# Allegro board RK_EVB7_RK3588_LP4XD200P232SD8_V11_20230111YWQ.brd (continued)
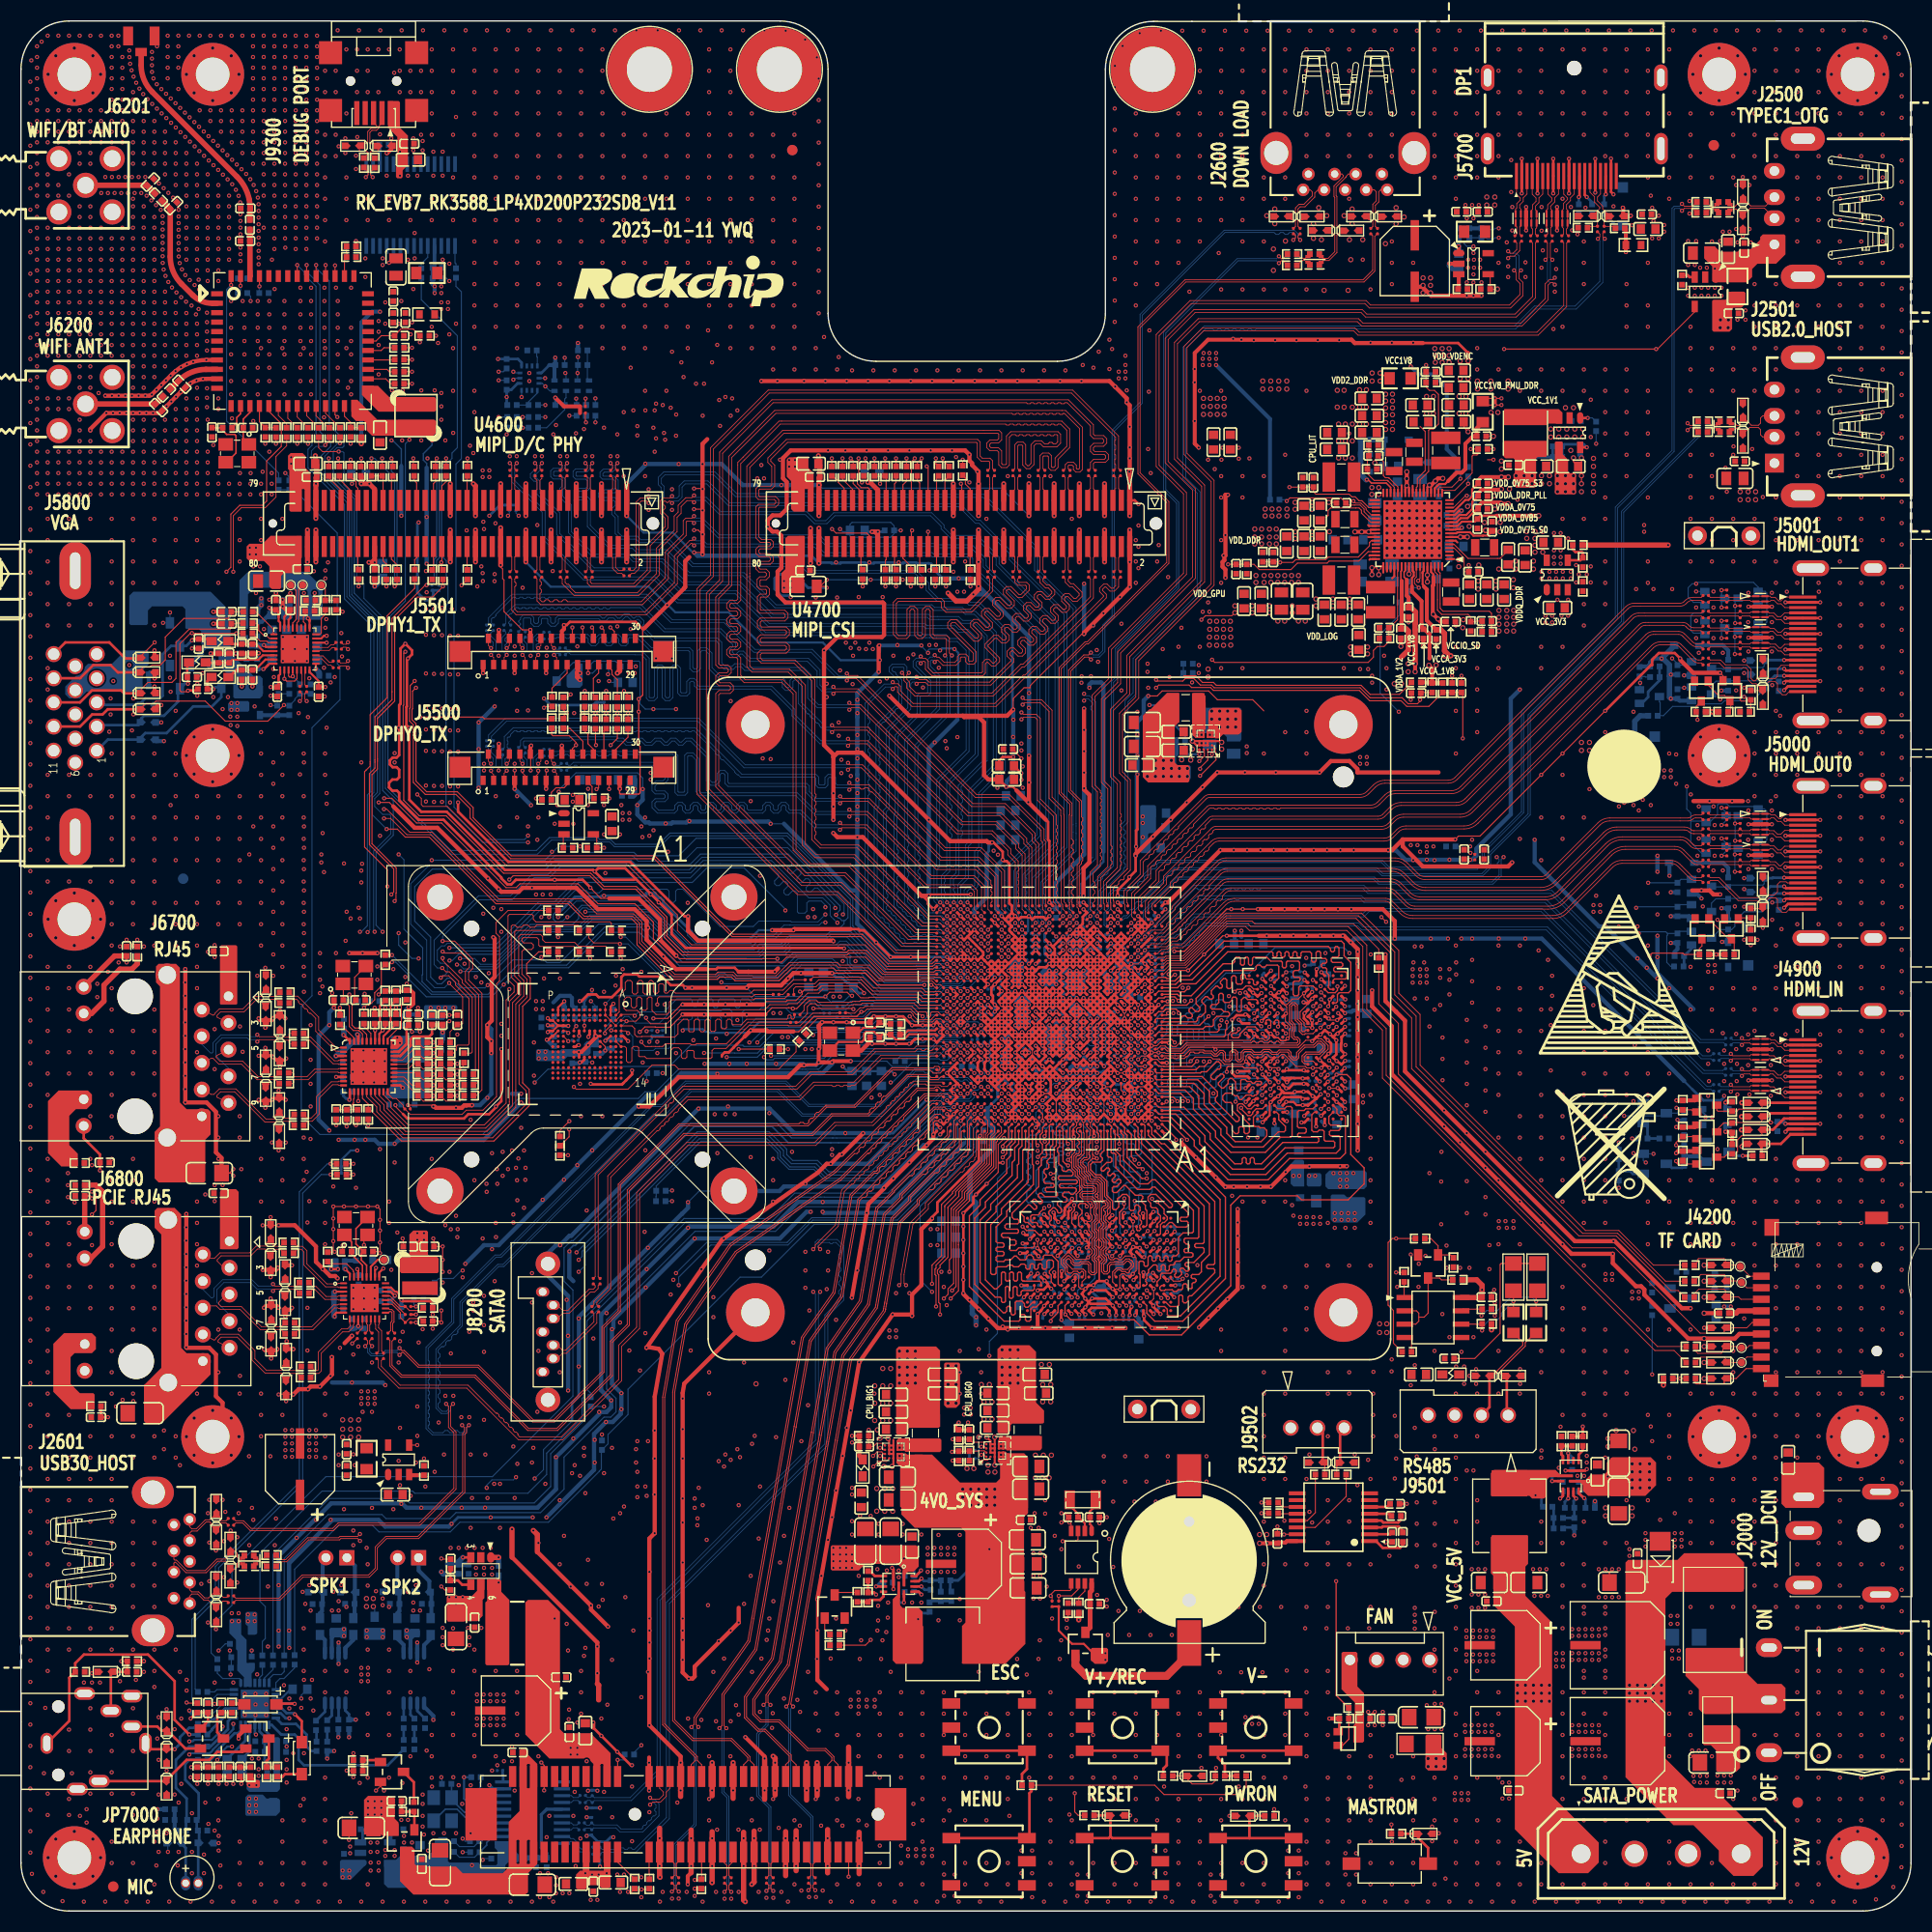
[diagram p0: board, top side]
## Placement (name value [footprint] x y rotation side) (continued)
C1207  10uF  [C0402_BGA]  103.15 79.42 270 bottom
C1208  1uF  [C0201]  101.52 79.22 270 bottom
C1209  1uF  [C0201]  103.72 84.03 0 bottom
C1210  100nF  [C0201]  103.72 82.08 0 bottom
C1211  100nF  [C0201]  103.72 82.73 0 bottom
C1212  100nF  [C0201]  102.88 81.11 270 bottom
C1213  1uF  [C0201]  99.97 82.03 180 bottom
C1214  1uF  [C0201]  102.43 82.08 0 bottom
C1215  1uF  [C0201]  101.55 82.41 90 bottom
C1216  1uF  [C0201]  103.84 81.45 180 bottom
C1217  1uF  [C0201]  98.7 79.92 270 bottom
C1218  1uF  [C0201]  98.6 80.82 180 bottom
C1219  1uF  [C0201]  99.94 78.32 180 bottom
C1220  10uF  [C0402_BGA]  102.64 85.96 90 bottom
C1221  4.7uF  [C0402_BGA]  101.75 85.96 90 bottom
C1223  100nF  [C0201]  102.43 84.03 0 bottom
C1224  1uF  [C0201]  97.56 81.19 90 bottom
C1225  100nF  [C0201]  102.43 82.73 0 bottom
C1226  10uF  [C0402_BGA]  101.3 80.78 90 bottom
C1227  4.7uF  [C0402_BGA]  99.97 80.78 90 bottom
C1228  1uF  [C0201]  100.92 82.41 90 bottom
C1229  100nF  [C0201]  102.17 80.53 90 bottom
C1231  100nF  [C0201]  102.43 83.38 0 bottom
C1232  10uF  [C0603]  121.69 71.73 90 bottom
C1300  1uF  [C0201]  91.52 85.33 180 bottom
C1301  100nF  [C0201]  104.5 87.25 180 bottom
C1302  100nF  [C0201]  104.52 86.63 180 bottom
C1400  1uF  [C0201]  101.51 92.72 90 bottom
C1401  100nF  [C0201]  100.22 92.73 90 bottom
C1402  1uF  [C0201]  102.82 91.43 270 bottom
C1403  100nF  [C0201]  101.51 91.42 270 bottom
C1404  1uF  [C0201]  100.87 92.7 90 bottom
C1405  100nF  [C0201]  99.61 92.73 90 bottom
C1406  1uF  [C0201]  100.86 91.42 270 bottom
C1407  100nF  [C0201]  100.23 91.42 270 bottom
C1408  100nF  [C0201]  103.07 92.37 0 bottom
C1409  100nF  [C0201]  102.17 91.43 270 bottom
C1410  100nF  [C0201]  103.07 93 0 bottom
C1501  100nF  [C0201]  98.54 91.2 0 bottom
C1502  100nF  [C0201]  96.6 78.2 0 bottom
C1503  100nF  [C0201]  92.53 85.05 270 bottom
C1505  100nF  [C0201]  108.1 89.32 270 bottom
C1510  1nF  [C0402]  137.19 116.5 90 top
C1511  1nF  [C0402]  132.87 115.99 180 top
C1512  1nF  [C0402]  98.58 95.04 270 bottom
C1513  1nF  [C0402]  111.15 117.9 0 bottom
C1514  1nF  [C0402]  94.01 110.66 180 top
C1600  2.2nF  [C0201]  96.04 90.59 0 bottom
C1601  1uF  [C0201]  96 91.24 180 bottom
C1602  100nF  [C0201]  97.24 91.73 0 bottom
C1603  1uF  [C0201]  95.95 92.49 180 bottom
C1605  1uF  [C0201]  95.95 93.11 180 bottom
C1608  2.2nF  [C0201]  97.31 90.46 0 bottom
C1609  1uF  [C0201]  97.31 91.1 0 bottom
C1611  100nF  [C0201]  97.24 92.38 0 bottom
C1613  1uF  [C0201]  97.24 93.03 0 bottom
C1615  1uF  [C0201]  93.16 86.95 270 bottom
C1616  100nF  [C0201]  95.95 91.86 180 bottom
C1617  1uF  [C0201]  92.35 87.8 180 bottom
C1619  1uF  [C0201]  108.74 90.46 90 bottom
C1621  100nF  [C0201]  92.53 86.93 90 bottom
C1714  1uF  [C0201]  104.37 87.93 0 bottom
C1715  4.7uF  [C0402_BGA]  103.15 89.79 90 bottom
C1716  1uF  [C0201]  105.67 88.58 0 bottom
C1717  100nF  [C0201]  105.72 87.93 0 bottom
C1729  1uF  [C0201]  104.37 88.58 0 bottom
C1730  4.7uF  [C0402]  137.44 100.62 270 top
C1731  1uF  [C0201]  105.67 89.88 0 bottom
C1732  100nF  [C0201]  105.67 89.23 0 bottom
C1733  4.7uF  [C0402]  106.14 87.01 0 bottom
C1735  1uF  [C0201]  103.07 88.57 180 bottom
C1738  1uF  [C0201]  104.37 89.23 0 bottom
C1740  100nF  [C0201]  106.58 88.94 270 bottom
C1741  1uF  [C0201]  106.97 89.88 0 bottom
C1742  4.7uF  [C0402]  104.5 90.59 90 bottom
C1751  4.7uF  [C0402]  139.34 100.62 270 top
C1752  100nF  [C0201]  138.46 100.37 270 top
C1800  1uF  [C0201]  94.77 78.15 0 bottom
C1801  4.7uF  [C0402]  136.17 101.39 0 bottom
C1802  1uF  [C0201]  92.75 78.14 180 bottom
C1803  4.7uF  [C0402]  92.1 74.34 180 bottom
C1804  1uF  [C0201]  92.69 80.14 0 bottom
C1806  1uF  [C0201]  90.97 79.33 225 bottom
C1808  1uF  [C0201]  92.69 80.76 0 bottom
C1810  10uF  [C0402]  90.05 80.43 180 bottom
C1812  100nF  [C0201]  94.77 78.78 0 bottom
C1813  4.7uF  [C0402]  94.64 76.88 270 bottom
C1814  1uF  [C0201]  92.75 78.78 180 bottom
C1815  4.7uF  [C0402]  92.1 73.32 180 bottom
C1816  100nF  [C0201]  92.72 81.46 0 bottom
C1818  100nF  [C0201]  91.72 80.46 270 bottom
C1902  100nF  [C0201]  91.51 85.98 180 bottom
C1903  100nF  [C0201]  93.13 89.58 90 bottom
C1907  100nF  [C0201]  96.57 78.83 0 bottom
C1908  100nF  [C0201]  92.51 89.55 90 bottom
C1909  100nF  [C0201]  93.24 88.31 270 bottom
C2000  100nF  [C0603]  168.3 42.97 90 top
C2001  100uF  [E_E7]  152.04 25.31 180 top
C2002  10uF  [C1206]  152.45 31.28 180 top
C2003  100nF  [C0402]  153.95 33.58 90 top
C2004  2.2uF  [C1206]  161.06 14.14 180 top
C2005  10uF  [C1206]  82.83 35.22 90 top
C2006  10uF  [C1206]  80.42 35.22 90 top
C2007  100nF  [C0603]  84.86 34.97 90 top
C2008  220nF  [C0402]  84.99 28.36 0 bottom
C2009  DNP  [C0402]  88.6 29.98 90 bottom
C2010  120uF  [E_C6]  90.07 33.06 90 top
C2011  22uF  [C0805]  95.91 30.77 0 top
C2012  100nF  [C0402]  95.71 37.25 0 top
C2013  22uF  [C0805]  95.85 35.35 0 top
C2014  22uF  [C0805]  95.91 33.06 0 top
C2015  100nF  [C0402]  84.61 31.92 180 bottom
C2016  100nF  [C0402]  82.58 31.28 0 bottom
C2017  1uF  [C0402]  84.61 30.39 180 bottom
C2100  10uF  [C1206]  152.17 43.6 90 top
C2101  10uF  [C1206]  152.17 39.03 270 top
C2102  100nF  [C0603]  150.14 41.82 90 top
C2103  220nF  [C0402]  144.81 40.05 270 bottom
C2105  DNP  [C0402]  146.42 36.43 0 bottom
C2106  120uF  [E_C6]  141.38 25.31 90 top
C2108  22uF  [C0805]  139.85 31.28 180 top
C2109  100nF  [C0402]  140.05 29.5 180 top
C2110  22uF  [C0805]  143.6 31.28 0 top
C2111  100nF  [C0402]  148.36 40.43 90 bottom
C2112  100nF  [C0402]  147.73 42.46 270 bottom
C2113  1uF  [C0402]  146.84 40.43 90 bottom
C2200  10uF  [C0603]  134.77 127.55 90 bottom
C2201  22uF  [C0805]  127.53 127.42 90 bottom
C2202  22uF  [C0603]  123.72 130.22 90 top
C2203  22uF  [C0603]  122.2 130.22 90 top
C2204  10uF  [C0603]  120.55 130.22 90 top
C2205  1uF  [C0402]  119.28 128.95 270 top
C2206  1uF  [C0402]  115.72 127.8 90 top
C2207  47uF  [C0805]  120.04 124.75 270 top
C2208  47uF  [C0805]  122.07 124.75 270 top
C2209  22uF  [C0603]  118.14 124.75 270 top
C2210  10uF  [C0603]  128.55 130.6 0 bottom
C2211  22uF  [C0603]  116.48 124.75 270 top
C2212  22uF  [C0805]  128.93 133.26 270 bottom
C2213  22uF  [C0603]  128.42 144.06 180 top
C2214  22uF  [C0603]  128.42 142.41 180 top
C2215  10uF  [C0603]  128.42 140.81 180 top
C2216  100pF  [C0402]  128.8 138.6 180 top
C2217  1uF  [C0402]  123.09 136.06 270 top
C2218  22uF  [C0603]  125.1 139.2 0 top
C2219  22uF  [C0603]  125.1 140.81 0 top
C2220  22uF  [C0603]  115.18 139.89 270 top
C2221  22uF  [C0603]  113.57 139.89 270 top
C2222  10uF  [C0603]  131.09 135.42 270 bottom
C2223  22uF  [C0805]  130.58 127.42 90 bottom
C2224  22uF  [C0603]  139.6 125.64 90 top
C2225  22uF  [C0603]  137.95 125.64 90 top
C2226  10uF  [C0603]  141.25 125.64 90 top
C2228  1uF  [C0402]  129.82 122.21 0 top
C2229  22uF  [C0603]  125.74 123.71 90 top
C2230  22uF  [C0603]  127.35 123.71 90 top
C2231  22uF  [C0603]  127.41 120.82 270 top
C2232  22uF  [C0603]  124.13 123.71 90 top
C2233  100pF  [C0402]  139.6 122.85 180 top
C2234  10uF  [C0603]  130.45 137.58 180 bottom
C2235  22uF  [C0805]  133.25 135.55 270 bottom
C2236  22uF  [C0603]  143.24 128.89 270 top
C2237  22uF  [C0603]  141.63 128.95 270 top
C2239  1uF  [C0402]  134.26 146.6 180 top
C2240  22uF  [C0603]  136.7 143.43 0 top
C2241  22uF  [C0603]  136.68 146.73 0 top
C2242  22uF  [C0603]  136.68 145.07 0 top
C2243  22uF  [C0603]  136.7 141.82 0 top
C2244  10uF  [C0603]  136.68 129.96 180 bottom
C2245  10uF  [C0603]  125.63 130.6 180 bottom
C2246  22uF  [C0603]  133.32 141.82 0 top
C2247  22uF  [C0603]  133.25 143.42 0 top
C2249  22uF  [C0603]  122.2 133.14 90 top
C2250  22uF  [C0603]  123.72 133.14 90 top
C2252  1uF  [C0402]  132.74 128.18 0 bottom
C2253  1uF  [C0402]  133.55 121.63 270 top
C2254  1uF  [C0402]  132.16 123.69 270 top
C2255  1uF  [C0402]  131.42 121.66 270 top
C2256  1uF  [C0402]  139.09 140.45 0 top
C2257  1uF  [C0402]  134.77 121.58 270 top
C2258  1uF  [C0402]  136.04 128.31 90 bottom
C2259  1uF  [C0402]  136.16 122.8 0 top
C2260  1uF  [C0402]  135.03 135.17 270 bottom
C2261  4.7uF  [C0402]  130.2 138.85 180 bottom
C2262  2.2uF  [C0402]  139.22 135.96 0 top
C2263  1uF  [C0402]  136.22 132.96 180 bottom
C2264  2.2uF  [C0402]  139.22 134.76 0 top
C2265  1nF  [C0402]  128.04 137.07 0 bottom
C2266  10nF  [C0402]  125.73 134.1 180 top
C2267  2.2uF  [C0402]  139.22 133.55 0 top
C2268  1nF  [C0402]  138.33 127.55 0 top
C2269  2.2uF  [C0402]  138.71 132.12 270 top
C2270  1uF  [C0402]  136.22 131.94 180 bottom
C2271  2.2uF  [C0402]  140.11 131.87 90 top
C2280  5pF  [C0402]  137.82 137.07 90 bottom
C2300  22uF  [C0805]  96.16 42.33 0 top
C2301  22uF  [C0805]  96.16 40.17 0 top
C2302  22uF  [C0805]  83.46 41.32 180 top
C2303  22uF  [C0805]  83.46 39.16 180 top
C2304  1uF  [C0402]  90.32 45.38 270 top
C2305  22uF  [C0603]  92.74 46.01 180 top
C2306  22uF  [C0603]  92.74 49.32 180 top
C2307  22uF  [C0603]  92.74 47.67 180 top
C2308  22uF  [C0603]  96.93 49.32 0 top
C2309  22uF  [C0603]  96.8 51.09 0 top
C2310  1uF  [C0402]  80.29 44.24 0 top
C2311  22uF  [C0603]  83.08 49.19 180 top
C2312  22uF  [C0603]  87.78 49.32 0 top
C2313  22uF  [C0603]  83.08 45.89 180 top
C2314  22uF  [C0603]  83.08 47.54 180 top
C2315  22uF  [C0603]  87.78 51.09 0 top
C2316  22uF  [C0603]  80.04 39.16 270 top
C2317  22uF  [C0805]  115.49 111.04 270 bottom
C2318  22uF  [C0805]  113.21 111.93 270 bottom
C2319  10uF  [C0603]  147.6 137.58 0 top
C2320  100pF  [C0402]  146.33 138.47 0 bottom
C2321  22uF  [C0603]  144.55 137.58 0 top
C2322  100nF  [C0402]  142.14 137.71 180 top
C2323  1uF  [C0402]  110.41 111.42 0 bottom
C2324  47uF  [C0805]  106.81 110.91 180 top
C2325  47uF  [C0805]  106.81 113.2 180 top
C2326  22uF  [C0603]  110.03 112.31 0 top
C2327  22uF  [C0603]  106.55 109.13 180 top
C2328  22uF  [C0603]  110.03 110.53 0 top
C2329  100nF  [C0402]  148.11 141.9 180 bottom
C2330  10uF  [C0603]  145.69 130.34 0 top
C2332  10uF  [C0603]  146.33 124.12 0 top
C2333  10uF  [C0603]  56.29 103.55 270 top
C2335  10uF  [C0603]  52.48 105.83 180 top
C2400  12pF  [C0402]  102.26 37.51 0 top
C2401  100nF  [C0402]  102.26 29.25 0 top
C2402  DNP  [C0402]  100.23 37.51 180 top
C2403  10uF  [C1206]  133.38 18.46 0 top
C2404  100nF  [C0402]  130.07 18.33 180 top
C2405  120uF  [E_C6]  141.38 16.17 90 top
C2406  100nF  [C0402]  142.14 11.47 180 top
C2407  100uF  [E_E7]  152.04 16.17 180 top
C2500  1uF  [C0402]  163.12 152.16 0 top
C2501  47uF  [C0805]  160.05 157.9 180 top
C2502  10uF  [C0603]  162.59 158.28 90 top
C2503  100nF  [C0402]  164.11 158.41 90 top
C2510  47uF  [C0805]  163.23 136.44 180 top
C2511  100nF  [C0402]  163.7 138.07 180 top
C2600  100nF  [C0402]  137.95 159.81 270 bottom
C2601  100nF  [C0402]  137.19 161.84 0 top
C2602  1uF  [C0402]  139.22 161.84 180 top
C2603  120uF  [E_C6]  132.74 157.14 180 top
C2604  10uF  [C0603]  136.93 157.14 270 bottom
C2605  100nF  [C0201]  128.55 159.99 90 top
C2606  100nF  [C0201]  129.18 159.99 90 top
C2607  1uF  [C0402]  31.01 43.98 270 top
C2608  120uF  [E_C6]  26.57 42.08 0 top
C2609  10uF  [C0603]  35.65 39.66 0 top
C2610  100nF  [C0402]  31.01 41.95 90 top
C2611  100nF  [C0201]  19.99 36.74 180 top
C2612  100nF  [C0201]  19.99 37.38 180 top
C3800  10uF  [C0603]  126.9 78.02 270 bottom
C3801  10uF  [C0603]  128.17 86.15 90 bottom
C3802  100nF  [C0201]  119.91 85.08 0 bottom
C3803  100nF  [C0201]  126.52 85.89 90 bottom
C3804  100nF  [C0201]  115.98 78.4 180 bottom
C3805  100nF  [C0201]  122.98 79.06 180 bottom
C3806  100nF  [C0201]  115.85 86.15 180 bottom
C3807  100nF  [C0201]  120.32 79.34 0 bottom
C3808  100nF  [C0201]  123.11 85.22 180 bottom
C3809  22uF  [C0603]  121.89 81.02 0 bottom
C3810  10uF  [C0603]  118.77 74.21 180 bottom
C3811  10uF  [C0603]  124.49 82.18 180 bottom
C3812  1uF  [C0402]  121.69 83.99 0 bottom
C3813  1uF  [C0402]  123.49 90.29 180 bottom
C3814  100nF  [C0201]  117.12 83.12 0 bottom
C3815  100nF  [C0201]  126.52 84.75 270 bottom
C3816  100nF  [C0201]  122.56 86.17 90 bottom
C3817  100nF  [C0201]  118.52 83.12 0 bottom
C3818  100nF  [C0201]  119.53 88.94 90 bottom
C3819  100nF  [C0201]  126.54 83.61 90 bottom
C3820  100nF  [C0201]  117.06 80.5 180 bottom
C3821  100nF  [C0201]  121.31 79.03 90 bottom
C3822  100nF  [C0201]  123.6 75.22 0 bottom
C3823  100nF  [C0201]  126.52 80.69 90 bottom
C3824  22uF  [C0603]  121.31 86.02 270 bottom
C3825  10uF  [C0603]  121.31 76.62 90 bottom
C3826  10uF  [C0603]  125.33 75.61 270 bottom
C3827  1uF  [C0402]  124.51 88.76 90 bottom
C3828  1uF  [C0402]  119.33 76.45 180 bottom
C3829  100nF  [C0201]  120.35 86.12 270 bottom
C3830  100nF  [C0201]  121.82 88.05 270 bottom
C3831  100nF  [C0201]  117.75 75.48 270 bottom
C3832  100nF  [C0201]  123.22 76.67 90 bottom
C3833  100nF  [C0201]  117.5 77.89 180 bottom
C3834  100nF  [C0201]  116.99 87.04 0 bottom
C3835  100nF  [C0201]  118.39 89.58 90 bottom
C3836  100nF  [C0201]  122.58 77.1 270 bottom
C3837  100nF  [C0201]  125.37 86.78 180 bottom
C3838  100nF  [C0201]  124.84 79.54 90 bottom
C3839  100nF  [C0201]  115.98 77.51 180 bottom
C3840  100nF  [C0201]  122.73 75.58 270 bottom
C3841  100nF  [C0201]  122.71 87.92 180 bottom
C3842  100nF  [C0201]  121.06 88.05 270 bottom
C3844  1nF  [C0201]  125.76 79.57 270 bottom
C3845  10uF  [C0603]  99.85 55.29 270 bottom
C3846  10uF  [C0603]  106.45 55.16 270 bottom
C3847  100nF  [C0201]  105.44 62.78 0 bottom
C3848  100nF  [C0201]  106.1 66.97 90 bottom
C3849  100nF  [C0201]  99.59 58.59 270 bottom
C3850  100nF  [C0201]  99.72 62.73 0 bottom
C3851  100nF  [C0201]  106.45 59.57 90 bottom
C3852  100nF  [C0201]  99.59 67.43 270 bottom
C3853  100nF  [C0201]  106.47 57.16 0 bottom
C3854  22uF  [C0603]  105.31 61.51 0 bottom
C3855  10uF  [C0603]  102.9 58.59 90 bottom
C3856  10uF  [C0603]  99.97 61.64 0 bottom
C3857  1uF  [C0402]  96.04 59.73 90 bottom
C3858  1uF  [C0402]  100.18 60.49 180 bottom
C3859  100nF  [C0201]  103.4 64.68 90 bottom
C3860  100nF  [C0201]  95.66 62.91 270 bottom
C3861  100nF  [C0201]  105.18 60.52 0 bottom
C3862  100nF  [C0201]  105.25 56.3 0 bottom
C3863  100nF  [C0201]  110.34 64.2 90 bottom
C3864  100nF  [C0201]  101.04 56.4 0 bottom
C3865  100nF  [C0201]  103.98 56.3 0 bottom
C3866  100nF  [C0201]  106.83 62.68 180 bottom
C3867  100nF  [C0201]  110.39 59.37 270 bottom
C3868  100nF  [C0201]  101.37 62.65 0 bottom
C3869  22uF  [C0603]  109.37 61.25 0 bottom
C3870  10uF  [C0603]  95.76 57.67 180 bottom
C3871  10uF  [C0603]  96.93 61.64 180 bottom
C3872  1uF  [C0402]  108.48 62.4 180 bottom
C3873  1uF  [C0402]  96.16 65.19 90 bottom
C3874  100nF  [C0201]  105.84 58.05 180 bottom
C3875  100nF  [C0201]  109.4 58.86 0 bottom
C3876  100nF  [C0201]  97.05 56.45 180 bottom
C3877  100nF  [C0201]  96.93 59.86 270 bottom
C3878  100nF  [C0201]  109.5 65.19 0 bottom
C3879  100nF  [C0201]  97.94 60.11 270 bottom
C3880  100nF  [C0201]  97.94 62.65 0 bottom
C3881  100nF  [C0201]  98.63 58.89 180 bottom
C3882  100nF  [C0201]  108.25 66.33 270 bottom
C3883  100nF  [C0201]  108.36 57.7 90 bottom
C3884  100nF  [C0201]  107.24 64.18 0 bottom
C3885  100nF  [C0201]  96.29 62.91 90 bottom
C3886  100nF  [C0201]  96.95 65.95 270 bottom
C3887  100nF  [C0201]  107.34 60.37 90 bottom
C3888  1nF  [C0201]  98.78 56.99 180 bottom
C4000  100nF  [C0402]  56.29 82.59 270 bottom
C4001  100nF  [C0402]  51.74 85.51 90 bottom
C4002  100nF  [C0402]  50.77 82.84 270 bottom
C4003  100nF  [C0402]  50.77 84.74 270 bottom
C4004  4.7uF  [C0402]  49.56 84.62 270 bottom
C4005  10pF  [C0201]  52.78 82.92 0 bottom
C4006  100nF  [C0402]  54.77 82.08 270 bottom
C4007  100nF  [C0402]  52.5 81.19 270 bottom
C4008  4.7uF  [C0402]  53.77 81.32 270 bottom
C4009  2.2uF  [C0402]  56.42 85.39 270 bottom
C4200  100nF  [C0402]  155.35 59.35 270 bottom
C4201  10uF  [C0603]  161.44 57.06 270 bottom
C4202  100nF  [C0402]  162.2 56.94 180 top
C4600  100nF  [C0402]  27.71 136.57 0 top
C4601  10uF  [C0603]  27.33 137.84 0 top
C4602  100nF  [C0402]  26.82 127.8 0 top
C4603  10uF  [C0805]  23.39 126.66 180 top
C4604  100nF  [C0402]  32.36 137.12 90 top
C4605  4.7uF  [C0603]  32.16 136.82 180 bottom
C4606  100nF  [C0402]  33.68 127.29 270 top
C4607  4.7uF  [C0603]  34.44 127.68 270 bottom
C4700  10uF  [C0603]  75.24 137.84 0 top
C4701  100nF  [C0402]  75.62 136.57 0 top
C4702  10uF  [C0805]  74.96 126.15 0 top
C4703  100nF  [C0402]  74.7 127.68 0 top
C4704  100nF  [C0402]  80.27 137.12 90 top
C4705  4.7uF  [C0603]  81.05 136.95 0 bottom
C4706  100nF  [C0402]  82.7 131.49 0 bottom
C4707  4.7uF  [C0603]  79.65 131.49 180 bottom
C4900  100nF  [C0402]  167.28 74.72 90 bottom
C5000  1uF  [C0201]  160.45 98.59 0 top
C5001  1uF  [C0201]  160.45 97.96 0 top
C5002  220nF  [C0201]  160.45 104.56 0 top
C5003  220nF  [C0201]  160.45 103.93 0 top
C5004  220nF  [C0201]  160.45 103.06 0 top
C5005  220nF  [C0201]  160.45 102.43 0 top
C5006  220nF  [C0201]  160.45 101.64 0 top
C5007  220nF  [C0201]  160.45 101.01 0 top
C5008  220nF  [C0201]  160.45 100.09 0 top
C5009  220nF  [C0201]  160.45 99.46 0 top
C5010  100pF  [C0402]  157.89 89.96 180 bottom
C5011  1uF  [C0402]  167.41 95.8 90 bottom
C5014  220nF  [C0201]  160.45 124.66 0 top
C5015  1uF  [C0201]  160.45 119.32 0 top
C5016  1uF  [C0201]  160.45 118.68 0 top
C5017  220nF  [C0201]  160.45 125.29 0 top
C5018  220nF  [C0201]  160.45 123.79 0 top
C5019  220nF  [C0201]  160.45 123.16 0 top
C5020  220nF  [C0201]  160.45 122.36 0 top
C5021  220nF  [C0201]  160.45 121.73 0 top
C5022  220nF  [C0201]  160.45 120.81 0 top
C5023  220nF  [C0201]  160.45 120.18 0 top
C5024  1uF  [C0402]  167.41 116.64 90 bottom
C5025  100pF  [C0402]  155.6 117.52 180 bottom
C5500  10uF  [C0603]  54 107.74 0 bottom
C5501  100nF  [C0402]  53.75 106.21 0 bottom
C5502  100nF  [C0402]  57.68 106.21 180 bottom
C5503  10uF  [C0603]  57.56 107.74 180 bottom
C5510  10uF  [C0603]  51.71 117.13 180 bottom
C5511  100nF  [C0402]  53.62 118.53 0 bottom
C5512  100nF  [C0402]  57.56 118.53 180 bottom
C5513  10uF  [C0603]  57.56 117.01 180 bottom
C5700  100nF  [C0201]  142.28 159.29 90 top
C5701  100nF  [C0201]  143.78 159.29 90 top
C5702  100nF  [C0201]  144.41 159.29 90 top
C5703  100nF  [C0201]  142.91 159.29 90 top
C5704  100nF  [C0201]  145.2 159.29 90 top
C5705  100nF  [C0201]  145.83 159.29 90 top
C5706  100nF  [C0201]  146.75 159.29 90 top
C5707  100nF  [C0201]  147.38 159.29 90 top
C5708  100nF  [C0201]  150.14 160.19 90 top
C5709  100nF  [C0201]  150.77 160.19 90 top
C5710  10uF  [C0603]  154.97 160.19 0 top
C5711  100nF  [C0402]  154.84 161.58 0 top
C5800  100nF  [C0201]  26.57 116.37 90 top
C5801  100nF  [C0201]  27.2 116.37 90 top
C5802  1uF  [C0402]  21.49 118.79 90 bottom
C5803  10uF  [C0603]  23.9 122.72 270 bottom
C5804  100nF  [C0402]  24.28 124.37 90 top
C5805  100nF  [C0402]  22.5 118.79 90 bottom
C5806  18pF  [C0402]  27.58 116.37 90 bottom
C5807  18pF  [C0402]  24.54 116.37 90 bottom
C5808  100nF  [C0201]  30 118.4 180 top
C5809  100nF  [C0201]  30 119.04 180 top
C5810  100nF  [C0201]  30.25 120.18 180 top
C5811  10uF  [C0603]  26.7 122.72 270 bottom
C5812  10uF  [C0603]  25.3 122.72 270 bottom
C5813  100nF  [C0402]  28.35 116.12 270 top
C5814  100nF  [C0402]  25.65 124.37 90 top
C5815  100nF  [C0402]  24.41 116.12 270 top
C5816  100nF  [C0201]  30.25 120.82 180 top
C5817  4.7uF  [C0603]  28.22 119.8 270 bottom
C5818  100nF  [C0402]  28.85 117.64 0 bottom
C5819  4.7uF  [C0603]  23.9 119.93 270 bottom
C5820  100nF  [C0402]  22.5 120.94 90 bottom
C5821  2pF  [C0402]  22.05 117.74 270 top
C5822  2pF  [C0402]  17.3 116.37 180 top
C5823  2pF  [C0402]  19.58 122.6 180 top
C5824  2pF  [C0402]  19.58 123.74 180 top
C5825  2pF  [C0402]  19.84 119.32 90 top
C5826  2pF  [C0402]  16.28 117.52 0 top
C5827  1uF  [C0402]  11.71 117.77 0 bottom
C5828  100nF  [C0402]  11.71 116.63 0 bottom
C5829  2pF  [C0402]  22.05 120.21 270 top
C5830  2pF  [C0402]  16.92 120.69 270 top
C6200  10pF  [C0402]  13.85 144.59 45 top
C6201  DNP  [C0402]  15.33 145.41 315 top
C6202  DNP  [C0402]  13.1 143.19 315 top
C6203  10pF  [C0402]  13.08 163.23 315 top
C6204  22pF  [C0402]  18.19 140.83 270 top
C6205  DNP  [C0402]  14.53 162.42 45 top
C6206  DNP  [C0402]  12.32 164.66 45 top
C6207  22pF  [C0402]  21.62 141.26 0 top
C6208  10pF  [C0402]  21.8 160.6 270 top
C6209  DNP  [C0402]  21.35 159.05 180 top
C6210  DNP  [C0402]  21.37 162.15 180 top
C6211  4.7uF  [C0603]  34.19 140.57 270 top
C6212  1uF  [C0402]  36.6 151.75 270 top
C6213  DNP  [C0402]  36.02 150.03 0 top
C6214  100nF  [C0402]  35.46 151.74 270 top
C6215  100nF  [C0402]  35.46 153.77 270 top
C6216  22uF  [C0805]  35.71 156.57 90 top
C6700  18pF  [C0402]  32.33 86.76 0 top
C6701  18pF  [C0402]  30.25 86.76 180 top
C6702  100nF  [C0402]  18.8 91.4 0 top
C6703  102/2KV  [C1206]  17.93 70.27 180 top
C6704  DNP  [C0402]  33.68 86.65 0 bottom
C6707  4.7uF  [C0402]  40.03 82.46 270 bottom
C6708  1uF  [C0402]  40.16 84.88 90 top
C6709  100nF  [C0402]  39.14 84.88 90 top
C6710  4.7uF  [C0402]  36.47 84.75 270 bottom
C6711  100nF  [C0402]  30.76 84.5 90 bottom
C6712  100nF  [C0402]  31.14 78.02 0 bottom
C6713  3pF  [C0201]  36.81 76.39 0 top
C6714  100nF  [C0402]  31.04 75.86 270 top
C6715  4.7uF  [C0402]  37.36 85.38 0 top
C6716  100nF  [C0402]  37.36 84.37 0 top
C6717  4.7uF  [C0402]  37.49 77.26 270 bottom
C6718  100nF  [C0402]  36.22 77.26 270 bottom
C6719  100nF  [C0402]  35.08 77.26 270 bottom
C6720  DNP  [C0402]  41.55 84.88 90 top
C6721  100nF  [C0402]  30.63 81.32 270 bottom
C6722  100nF  [C0402]  31.14 79.42 0 bottom
C6723  100nF  [C0402]  32.11 82.31 270 bottom
C6750  DNP  [C0402]  10.06 91.4 90 top
C6751  DNP  [C0402]  7.97 71.29 0 top
C6800  100nF  [C0201]  34.95 54.78 270 top
C6801  100nF  [C0201]  35.59 54.78 270 top
C6802  18pF  [C0402]  31.04 62.8 180 top
C6803  18pF  [C0402]  33.07 62.8 0 top
C6804  100nF  [C0402]  38.76 56.17 0 top
C6805  1uF  [C0402]  32.16 60.11 270 bottom
C6806  100nF  [C0402]  30.25 57.32 0 bottom
C6807  4.7uF  [C0402]  38.89 63.29 0 top
C6808  100nF  [C0402]  36.86 63.29 180 top
C6809  100nF  [C0402]  30.25 58.33 0 bottom
C6810  100nF  [C0402]  34.7 58.08 180 bottom
C6811  100nF  [C0402]  34.7 59.1 180 bottom
C6812  4.7uF  [C0402]  31.9 62.4 90 bottom
C6813  100nF  [C0402]  31.52 55.92 90 bottom
C6814  100nF  [C0402]  32.66 55.92 90 bottom
C6815  100nF  [C0402]  36.22 57.06 270 bottom
C6816  100nF  [C0402]  18.82 68.37 0 top
C6817  102/2KV  [C1206]  11.33 47.41 0 top
C6818  DNP  [C0402]  7.14 47.03 180 top
C6819  DNP  [C0402]  5.61 68.11 180 top
C6840  100nF  [C0201]  32.79 54.78 270 top
C6841  100nF  [C0201]  33.43 54.78 270 top
C7000  4.7uF  [C0402]  21.97 23.79 90 bottom
C7001  100nF  [C0402]  20.45 23.15 180 bottom
C7002  4.7uF  [C0402]  22.76 16.17 180 bottom
C7003  4.7uF  [C0402]  20.47 24.17 180 bottom
C7004  100nF  [C0402]  20.35 25.44 180 bottom
C7005  100nF  [C0402]  23.9 13.12 180 bottom
C7006  100nF  [C0402]  22.76 15.15 180 bottom
C7007  1uF  [C0402]  17.3 17.82 180 bottom
C7008  1uF  [C0402]  17.3 16.8 180 bottom
C7009  1uF  [C0402]  17.3 15.66 180 bottom
C7010  1uF  [C0402]  17.3 14.39 180 bottom
C7011  10uF  [C0603]  19.63 13.78 270 bottom
C7012  10uF  [C0603]  21.06 13.78 270 bottom
C7013  10uF  [C0603]  26.57 21.12 0 bottom
C7014  4.7uF  [C0402]  24.79 15.15 0 bottom
C7015  100nF  [C0402]  24.79 16.17 0 bottom
C7016  4.7uF  [C0402]  20.85 13.25 270 top
C7017  100nF  [C0402]  16.79 13.25 270 top
C7018  4.7uF  [C0402]  14.18 8.68 180 bottom
C7019  47uF  [E-A]  22.8 19.68 0 top
C7020  100pF  [C0402]  16.28 8.68 0 bottom
C7021  47uF  [E-A]  26.74 14.56 90 top
C7022  100nF  [C0402]  10.57 22.77 0 top
C7023  100nF  [C0402]  17.81 19.34 90 top
C7024  1uF  [C0402]  30.23 17.77 90 bottom
C7025  100nF  [C0402]  29.16 17.72 90 bottom
C7026  100nF  [C0402]  28.09 17.67 90 bottom
C7027  22uF  [C0603]  30.02 27.17 90 bottom
C7028  680pF  [C0402]  28.22 29.23 180 bottom
C7029  680pF  [C0402]  31.32 29.25 180 bottom
C7030  1uF  [C0402]  38.48 17.87 90 bottom
C7031  100nF  [C0402]  37.47 17.87 90 bottom
C7032  100nF  [C0402]  36.45 17.87 90 bottom
C7033  22uF  [C0603]  37.52 27.17 90 bottom
C7034  680pF  [C0402]  35.59 29.25 180 bottom
C7035  680pF  [C0402]  38.63 29.25 180 bottom
C8100  22uF  [C0603]  52.6 2.58 180 top
C8101  22uF  [C0603]  56.41 2.71 0 top
C8102  100nF  [C0402]  54.51 2.33 270 top
C8103  220nF  [C0201]  62 2.91 90 top
C8104  220nF  [C0201]  62.64 2.91 90 top
C8105  120uF  [E_C6]  47.14 19.09 90 top
C8106  100nF  [C0402]  52.22 17.06 90 top
C8107  220nF  [C0201]  67 2.91 90 top
C8108  220nF  [C0201]  67.64 2.91 90 top
C8109  220nF  [C0201]  71 2.91 90 top
C8110  220nF  [C0201]  71.64 2.91 90 top
C8111  220nF  [C0201]  75 2.91 90 top
C8112  220nF  [C0201]  75.64 2.91 90 top
C8113  10uF  [C1206]  48.72 2.5 0 top
C8114  100nF  [C0402]  47.29 15.1 180 top
C8115  1uF  [C0402]  30.76 4.99 90 bottom
C8116  4.7uF  [C0603]  38 5.57 90 bottom
C8117  100nF  [C0402]  36.47 5.44 90 bottom
C8118  1uF  [C0402]  46.25 3.98 0 bottom
C8119  100nF  [C0402]  45.24 4.99 180 bottom
C8120  100nF  [C0402]  35.97 7.79 0 bottom
C8121  10uF  [C1206]  41.43 27.09 270 top
C8122  100nF  [C0402]  43.21 27.47 270 top
C8123  100nF  [C0402]  45.49 32.43 270 bottom
C8124  10uF  [C0603]  53.75 17.19 90 top
C8125  100nF  [C0402]  51.46 22.27 0 top
C8126  22pF  [C0402]  40.67 32.55 90 bottom
C8127  100nF  [C0402]  40.92 33.06 90 top
C8128  18pF  [C0402]  43.33 8.42 180 bottom
C8129  18pF  [C0402]  40.54 12.11 180 bottom
C8130  10uF  [C1206]  32.41 7.91 180 top
C8131  100nF  [C0402]  35.79 10.48 0 top
C8132  10uF  [C1206]  39.9 4.61 90 top
C8133  100nF  [C0402]  38.18 4.49 90 top
C8134  10uF  [C0603]  46.51 2.71 0 bottom
C8135  1uF  [C0402]  49.05 4.61 270 bottom
C8136  100nF  [C0402]  50.06 4.61 270 bottom
C8200  10nF  [C0201]  55.02 57.32 270 top
C8201  10nF  [C0201]  54.38 57.32 270 top
C8202  10nF  [C0201]  55.14 59.98 270 top
C8203  10nF  [C0201]  54.51 59.98 270 top
C9000  100nF  [C0402]  51.33 147.23 0 bottom
C9001  1uF  [C0402]  53.49 147.23 180 bottom
C9002  100nF  [C0402]  46.25 145.33 90 bottom
C9003  100nF  [C0402]  46.25 147.36 270 bottom
C9004  100nF  [C0402]  48.67 148.63 180 bottom
C9300  10uF  [C0603]  37.11 166.79 0 top
C9301  100nF  [C0402]  36.98 168.32 0 top
C9302  100nF  [C0402]  34.57 168.19 0 bottom
C9303  1uF  [C0402]  39.65 156.5 0 bottom
C9304  100nF  [C0402]  39.65 155.49 0 bottom
C9510  100nF  [C0402]  139.6 58.46 0 top
C9511  4.7nF  [C0402]  136.04 52.62 180 top
C9512  100nF  [C0603]  133.12 51.09 180 top
C9513  100nF  [C0402]  131.6 35.6 270 top
C9514  100nF  [C0402]  119.66 35.47 90 top
C9515  100nF  [C0402]  130.58 35.6 90 top
C9516  100nF  [C0402]  130.96 37.63 0 top
C9517  100nF  [C0402]  130.84 38.78 180 top
CON9000  STK3311-A  [OLGA8_4R00X1R50X1R00]  52.46 145.27 0 bottom
D2000  SS32  [DO_214AC]  156.11 33.31 90 top
D2200  B5819WS  [SOD_323]  130.96 140.12 180 bottom
D2400  BAT54C  [SOT_23]  101.37 25.44 0 top
D4200  ESD5451N  [ESD0402]  161.32 59.98 90 bottom
D4201  ESD5471X  [ESD0402]  161.7 50.71 180 top
D4202  ESD5341N  [ESD0402]  161.7 52.24 180 top
D4203  ESD5341N  [ESD0402]  161.7 53.76 180 top
D4204  ESD5341N  [ESD0402]  161.7 55.54 180 top
D4205  ESD5341N  [ESD0402]  161.7 58.46 180 top
D4206  ESD5341N  [ESD0402]  161.7 59.98 180 top
D4207  ESD5341N  [ESD0402]  161.7 61.51 180 top
D4900  B5819WS  [SOD_323]  161.32 74.84 0 bottom
D4901  B5819WS  [SOD_323]  161.32 76.37 0 bottom
D5000  B5819WS  [SOD_323]  162.59 91.1 90 bottom
D5001  B5819W  [SOD_123]  164.49 91.86 90 bottom
D5002  B5819WS  [SOD_323]  158.17 99.84 0 bottom
D5004  B5819WS  [SOD_323]  153.7 110.43 90 bottom
D5005  B5819W  [SOD_123]  155.6 110.05 90 bottom
D5007  B5819WS  [SOD_323]  158.65 120.49 0 bottom
D5700  BZT52C3V0  [SOD_123]  152.55 162.35 270 bottom
D5800  B5819WS  [SOD_323]  22.76 115.1 270 bottom
D5801  ESD5341N  [ESD0402]  12.09 119.37 0 top
D5802  ESD5341N  [ESD0402]  12.09 114.47 0 top
D5803  BAV99  [SOT_23]  19.08 117.64 0 bottom
D5804  ESD5341N  [ESD0402]  12.09 111.55 0 bottom
D5805  ESD5341N  [ESD0402]  12.09 115.99 0 top
D5806  BAV99  [SOT_23]  15.14 117.52 0 bottom
D5807  ESD5341N  [ESD0402]  12.08 117.98 0 top
D5808  ESD5341N  [ESD0402]  12.09 113.2 0 bottom
D5809  B5819W  [SOD_123]  11.46 121.33 270 bottom
D5810  BAV99  [SOT_23]  15.14 121.58 0 bottom
D5811  ESD5341N  [ESD0402]  12.09 114.85 0 bottom
ED2200  AZ5825-01F  [ESD0402]  133.25 137.96 0 bottom
ED2500  ESD5341N  [ESD0402]  163.99 142.92 90 top
ED2501  ESD5341N  [ESD0402]  163.99 139.99 270 top
ED2503  ESD5341N  [ESD0402]  163.99 163.74 90 top
ED2504  ESD5341N  [ESD0402]  163.99 160.82 270 top
ED2600  ESD5311N  [ESD0402]  130.33 161.39 0 top
ED2601  ESD5311N  [ESD0402]  127.41 161.39 180 top
ED2602  ESD5311N  [ESD0402]  122.96 161.39 0 top
ED2603  ESD5311N  [ESD0402]  120.04 161.39 180 top
ED2604  ESD5341N  [ESD0402]  126.72 160.04 0 top
ED2605  ESD5341N  [ESD0402]  123.72 160.04 180 top
ED2606  ESD5311N  [ESD0402]  18.6 38.52 90 top
ED2607  ESD5311N  [ESD0402]  18.6 35.6 270 top
ED2608  ESD5311N  [ESD0402]  18.6 31.16 90 top
ED2609  ESD5311N  [ESD0402]  18.6 28.23 270 top
ED2610  ESD5341N  [ESD0402]  19.94 34.91 90 top
ED2611  ESD5341N  [ESD0402]  19.94 31.92 270 top
ED4900  ESD5304D  [SON10_2R50X1R00X0R50]  165.66 79.11 90 top
ED4901  ESD5341N  [ESD0402]  165.18 76.98 180 top
ED4902  ESD5341N  [ESD0402]  165.18 75.66 180 top
ED4903  ESD5341N  [ESD0402]  165.16 74.39 180 top
ED4904  ESD5341N  [ESD0402]  165.13 73.07 180 top
ED4905  ESD5304D  [SON10_2R50X1R00X0R50]  165.66 82.06 90 top
ED5000  ESD73034D  [SON10_2R50X1R00X0R50]  165.66 103.49 270 top
ED5001  ESD73034D  [SON10_2R50X1R00X0R50]  165.66 100.55 270 top
ED5002  ESD5341N  [ESD0402]  165.43 95.77 180 bottom
ED5003  ESD5341N  [ESD0402]  165.42 97.04 180 bottom
ED5004  ESD5341N  [ESD0402]  165.38 98.36 180 bottom
ED5005  ESD5341N  [ESD0402]  165.89 97.83 90 top
ED5006  ESD5341N  [ESD0402]  165.89 94.91 270 top
ED5007  ESD73034D  [SON10_2R50X1R00X0R50]  165.66 124.22 270 top
ED5008  ESD73034D  [SON10_2R50X1R00X0R50]  165.66 121.27 270 top
ED5009  ESD5341N  [ESD0402]  165.89 115.6 270 top
ED5010  ESD5341N  [ESD0402]  165.43 116.5 180 bottom
ED5011  ESD5341N  [ESD0402]  165.42 117.76 180 bottom
ED5012  ESD5341N  [ESD0402]  165.38 119.09 180 bottom
ED5013  ESD5341N  [ESD0402]  165.89 118.54 90 top
ED5700  ESD5341N  [ESD0402]  151.97 161.42 0 top
ED5701  ESD5341N  [ESD0402]  149.02 161.42 180 top
ED6700  ESD5341N  [ESD0402]  23.32 88.46 90 top
ED6701  ESD5341N  [ESD0402]  23.32 85.46 270 top
ED6702  ESD5341N  [ESD0402]  24.64 84.6 90 top
ED6703  ESD5341N  [ESD0402]  24.64 81.65 270 top
ED6704  ESD5341N  [ESD0402]  23.32 80.84 90 top
ED6705  ESD5341N  [ESD0402]  23.32 77.79 270 top
ED6706  ESD5341N  [ESD0402]  24.59 76.77 90 top
ED6707  ESD5341N  [ESD0402]  24.59 73.78 270 top
ED6800  ESD5341N  [ESD0402]  23.77 64.68 90 top
ED6801  ESD5341N  [ESD0402]  23.77 61.69 270 top
ED6802  ESD5341N  [ESD0402]  25.15 60.87 90 top
ED6803  ESD5341N  [ESD0402]  25.15 57.88 270 top
ED6804  ESD5341N  [ESD0402]  23.83 57.01 90 top
ED6805  ESD5341N  [ESD0402]  23.83 54.02 270 top
ED6806  ESD5341N  [ESD0402]  25.25 52.9 90 top
ED6807  ESD5341N  [ESD0402]  25.25 49.85 270 top
ED7000  ESD5451N  [ESD0402]  14.61 6.47 180 bottom
ED7001  ESD5451N  [ESD0402]  17.6 6.47 0 bottom
ED7002  ESD5451N  [ESD0402]  13.87 17.82 90 top
ED7003  ESD5451N  [ESD0402]  13.87 11.72 270 top
ED7004  ESD5451N  [ESD0402]  13.87 14.77 270 top
ED7005  ESD5451N  [ESD0402]  8.03 22.77 180 top
ED7006  ESD5451N  [ESD0402]  31.17 30.37 180 bottom
ED7007  ESD5451N  [ESD0402]  28.09 30.37 180 bottom
ED7008  ESD5451N  [ESD0402]  38.25 30.39 180 bottom
ED7009  ESD5451N  [ESD0402]  35.2 30.39 180 bottom
ED9200  ESD5451N  [ESD0402]  111.79 12.87 0 top
ED9201  ESD5451N  [ESD0402]  104.39 9.11 0 top
ED9202  ESD5451N  [ESD0402]  116.36 9.06 180 top
ED9203  ESD5451N  [ESD0402]  133.71 7.36 0 top
ED9300  ESD5341N  [ESD0402]  31.6 168.11 180 top
ED9301  ESD5341N  [ESD0402]  34.65 168.11 0 top
ED9500  ESD5451N  [ESD0402]  139.22 50.97 180 top
ED9501  ESD5451N  [ESD0402]  142.14 50.97 0 top
ED9502  ESD5451N  [ESD0402]  123.34 42.71 180 top
ED9503  ESD5451N  [ESD0402]  126.26 42.71 0 top
F2000  JK-SMD200L  [F8050]  161.32 27.73 90 top
F2400  JK-nSMD035  [R1206]  133.24 15.92 180 top
FB2300  120R-100MHz  [L0603]  80.16 42.2 270 top
FB5800  120R-100MHz  [L0603]  28.22 122.72 270 bottom
FB5801  120R-100MHz  [L0603]  21.23 121.83 270 bottom
